# Altium PCB cheriot-test.PcbDoc (part 8 of 12)
Units mil, origin at the board's own origin, x right, y up, seen from the top; angles counter-clockwise.
Board outline 6629.92 x 3149.61 mil, 8 copper layers (Top Layer, Int1 (Sign), Int2 (GND), Int3 (Sign), Int4 (Sign), Int5 (PWR), Int6 (Sign), Bottom Layer), stack 60.424 mil thick; 496 components, 639 nets, 2898 pads, 1737 vias.
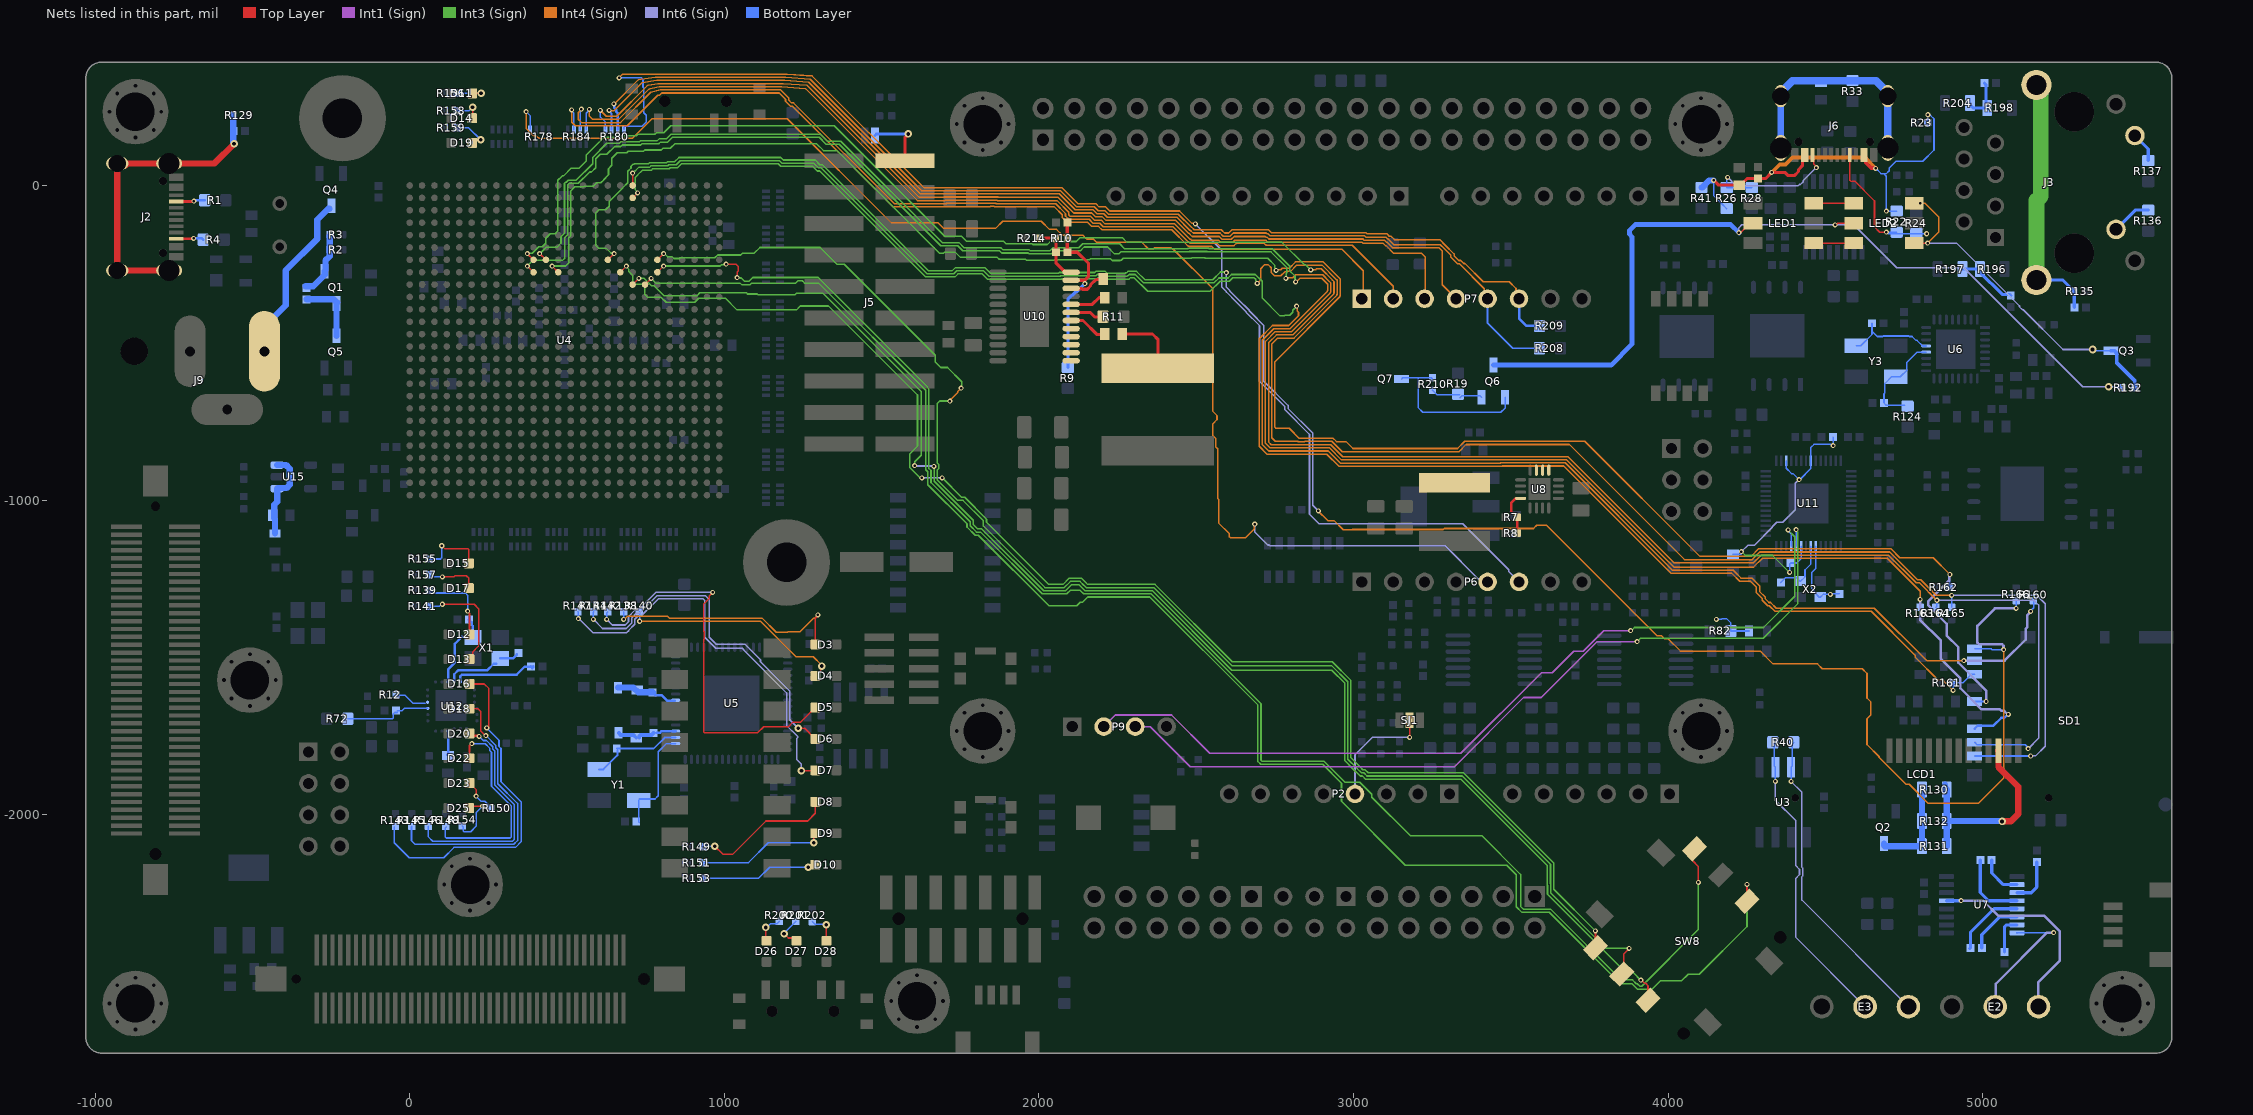
[diagram p14: the nets of this part, all layers, seen from the top]

## Via types
v1: diameter 16, hole 8, Top Layer to Bottom Layer, tented both sides, 1442 vias
v2: diameter 24, hole 12, Top Layer to Bottom Layer, tented both sides, 257 vias
v3: diameter 23.62, hole 11.81, Top Layer to Bottom Layer, tented both sides, 16 vias
v4: diameter 45, hole 20, Top Layer to Bottom Layer, 14 vias
v5: diameter 19.68, hole 8, Top Layer to Bottom Layer, 8 vias

## Nets (pads, with @x,y where several pads share a name; then routed paths per layer and width w, separated by ;. In a path a pad name is that pad's centre, name@x,y a point inside that pad or via, vN(x,y) a via of type N, cw(c..) or ccw(c..) an arc to the next point about the centre after c; other vN are vias at no path point) (continued)
MB3: P6.5 R178.4B | length 4336.9
  Int4 (Sign) w5: v1(370,235) 370,182 394.5,157.5 402.46,157.5 409.96,150 708.15,150 770.15,212 1200.14,212 1531.14,-119 1680,-119 1697.5,-136.5 1861.85,-136.5 1884.68,-113.67 2007.59,-113.67 2033.42,-139.5 2056.08,-139.5 2074.08,-157.5 2138.93,-157.5 2151.43,-170 2172.86,-170 2183.86,-181 2327.76,-181 2347.76,-201 2364.37,-201 2366.87,-198.5 2421.13,-198.5 2423.63,-201 2425.58,-201 2553,-328.42 2553,-718.21 2566,-731.21 2566,-744.05 2553,-757.05 2553,-794.86 2562,-803.86 2562,-830.99 2568,-836.99 2568,-993.85 2571,-996.85 2571,-1072.41 2605,-1106.41 2605,-1116.03 2607.97,-1119 2657.72,-1119 2683.88,-1092.84 2683.88,-1079.12 v1@2685.98,-1077.02
  Int6 (Sign) w5: v1@2685,-1080 2685.98,-1080.98 2685.98,-1101.34 2727.4,-1142.76 2732.24,-1142.76 2734.41,-1144.92 3291.3,-1144.92 3395.96,-1249.58 3415.64,-1249.58 P6.5@3425.98,-1259.92
  Bottom Layer w5: v1(370,235) 382.76,222.24 R178.4B@382.76,178.15
  other v1: 2685.98,-1076.14
MB4: P6.6 R180.1B | length 4165.6
  Int4 (Sign) w5: v1@665,344 667,344 677,354 1199.56,354 1279,348 1633.57,-6.57 1820.66,-6.57 1820.73,-6.5 1883.27,-6.5 1883.34,-6.57 2072.61,-6.57 2123.54,-57.5 2180.35,-57.5 2190.85,-68 2212.14,-68 2214.14,-70 2214.28,-70 2225.28,-81 2447,-81 2486.54,-120.54 2495.46,-120.54 v1(2496.96,-122.04)
  Int6 (Sign) w5: v1(2496.96,-122.04) 2497.04,-122.04 2581,-206 2581,-270.08 2580.5,-270.58 2580.5,-322.07 2595.92,-337.49 2595.92,-338.51 2628.16,-370.74 2658.5,-401.07 2658.5,-402.78 2701,-445.28 2701,-622.16 2782,-703.16 2782,-713.14 2860,-791.14 2860,-1045 2890.5,-1075.5 3346.98,-1075.5 3493.01,-1221.53 3493.01,-1226.95 P6.6@3525.98,-1259.92
  Bottom Layer w5: v1(665.37,342.37) 736.2,342.37 741.5,337.07 741.5,312.06 744,309.56 744,231.5 752,223.5 752,202 738.44,188.44 684.59,188.44 681.18,185.04 R180.1B@681.18,178.15
MB5: P7.6 R180.2B R209.2 | length 3435.6
  Int4 (Sign) w5: v1(649.14,259.36) 650.36,259.36 727.54,336.54 735.56,338 780.71,344 1195.41,344 1273,338 1627.57,-16.57 1824.8,-16.57 1824.87,-16.5 1879.13,-16.5 1879.2,-16.57 2068.47,-16.57 2119.4,-67.5 2176.21,-67.5 2188.71,-80 2210.14,-80 2221.14,-91 2442.86,-91 2483.9,-132.04 2485.04,-132.04 2494,-141 2580.58,-141 2581,-141.42 2581,-141.92 2590.08,-151 2603.42,-151 2613.42,-141 2730,-141 2739,-150 3038.57,-150 3042.58,-154.01 3106.85,-154.01 3113.85,-161.01 3119.01,-161.01 3130,-172 3273.94,-172 3291.48,-189.54 3291.62,-189.54 3319.5,-217.42 3319.5,-223.56 3334.44,-238.5 3340.58,-238.5 3350.08,-248 3354,-248 3412,-306 3495,-306 3516.27,-327.27 3516.27,-337.27 P7.6@3526,-347 ; P7.6@3528.95,-356.95 P7.6@3529,-357
  Bottom Layer w8: v1(649.14,259.36) 650.67,257.83 650.67,246.37 656.9,240.14 656.9,233.72 661.5,229.13 R180.2B@661.5,178.15 ; P7.6@3525.98,-359.92 3525.98,-422.91 3549.61,-446.54 R209.2@3590.94,-446.54
MB6: P7.5 R180.3B R208.2 | length 3481.9
  Int4 (Sign) w5: v1(634,239) 635.91,237.09 648.79,237.09 738.23,326.54 784.85,334 1191.27,334 1268.14,328 1622.71,-26.57 1828.94,-26.57 1829.01,-26.5 1874.99,-26.5 1875.06,-26.57 2064.33,-26.57 2115.26,-77.5 2172.06,-77.5 2184.56,-90 2206,-90 2217,-101 2438.72,-101 2479.76,-142.04 2480.9,-142.04 2489.86,-151 2575.94,-151 2585.94,-161 2607.56,-161 2617.56,-151 2721.86,-151 2724.86,-154 2728.86,-154 2734.86,-160 3034.43,-160 3038.44,-164.01 3102.7,-164.01 3109.7,-171.01 3111.3,-171.01 3128.28,-188 3275.8,-188 3287.34,-199.54 3287.48,-199.54 3309.5,-221.56 3309.5,-227.7 3330.3,-248.5 3336.44,-248.5 3415.74,-327.8 3415.74,-351.74 P7.5@3426,-362
  Bottom Layer w6: v1(634,239) 634,236.29 641.81,228.48 R180.3B@641.81,178.15 ; P7.5@3425.98,-359.92 3425.98,-437.09 3506.3,-517.4 R208.2@3590.94,-517.4
MB7: P7.4 R180.4B | length 3180.6
  Int4 (Sign) w5: v1(606,239) 625,220 658,220 754.54,316.54 757.86,318 788.99,324 1187.13,324 1264,318 1620.01,-38.01 1696.99,-38.01 1698.43,-36.57 1833.08,-36.57 1833.15,-36.5 1870.85,-36.5 1872.36,-38.01 2061.62,-38.01 2111.11,-87.5 2167.92,-87.5 2180.42,-100 2201.85,-100 2212.85,-111 2434.57,-111 2475.61,-152.04 2476.76,-152.04 2486.72,-162 2572.8,-162 2581.8,-171 2611.7,-171 2620.7,-162 2718.72,-162 2720.72,-164 2724.72,-164 2730.72,-170 3030.28,-170 3034.3,-174.01 3098.56,-174.01 3105.56,-181.01 3107.15,-181.01 3124.14,-198 3271.65,-198 3281.75,-208.09 3281.75,-315.68 P7.4@3320.06,-354
  Bottom Layer w5: v1(606,239) 606,218.05 622.13,201.93 R180.4B@622.13,178.15
MB8: P7.3 R184.1B | length 3156.8
  Int4 (Sign) w5: v1(571,242) 571,220.93 581.93,210 664,210 760.54,306.54 763.86,308 793.14,314 1182.99,314 1258,308 1614.01,-48.01 1701.13,-48.01 1702.57,-46.57 1837.22,-46.57 1837.3,-46.5 1866.7,-46.5 1868.21,-48.01 2057.48,-48.01 2094.49,-85.02 2094.49,-93.06 2098.93,-97.5 2163.78,-97.5 2176.28,-110 2197.71,-110 2208.71,-121 2430.43,-121 2480.43,-171 2482.24,-171 2485.24,-174 2570.65,-174 2577.65,-181 2615.85,-181 2622.85,-174 2720.57,-174 2726.57,-180 3026.14,-180 3030.15,-184.01 3094.42,-184.01 3101.42,-191.01 3103.01,-191.01 3127,-215 3216,-215 3228,-227 3228,-353 P7.3@3232,-357
  Bottom Layer w5: R184.1B@561.5,177.87 561.5,229.58 571,239.09 v1(571,242)
MB9: P7.2 R184.2B | length 3048.4
  Int4 (Sign) w5: v1(546,243) 546,242.08 535.5,231.58 535.5,210.93 546.43,200 670,200 766.54,296.54 797.28,304 1178.85,304 1184.86,297.98 1204.5,278.35 1204.5,271.58 1213.58,262.5 1220.35,262.5 1540.85,-58.01 1705.27,-58.01 1706.71,-56.57 1841.37,-56.57 1841.44,-56.5 1862.56,-56.5 1864.07,-58.01 2053.34,-58.01 2084.49,-89.16 2084.49,-97.2 2094.79,-107.5 2159.64,-107.5 2172.14,-120 2193.57,-120 2204.57,-131 2426.29,-131 2476.29,-181 2478.1,-181 2481.1,-184 2566.51,-184 2573.51,-191 2619.99,-191 2626.99,-184 2716.43,-184 2722.43,-190 2996.08,-190 3126,-319.92 P7.2@3126,-355
  Bottom Layer w5: R184.2B@541.81,177.87 541.81,235.83 546,240.02 v1(546,243)
MB10: P7.1 R184.3B | length 2999.7
  Int4 (Sign) w5: v1(515,240) 515,200.93 525.93,190 691.58,190 788.31,286.72 794.14,286.72 801.42,294 1174.7,294 1194.5,274.2 1194.5,267.44 1209.44,252.5 1216.2,252.5 1536.71,-68.01 1709.41,-68.01 1709.92,-67.5 1844.58,-67.5 1845.58,-66.5 1858.42,-66.5 1859.93,-68.01 2049.2,-68.01 2074.49,-93.3 2074.49,-101.34 2090.65,-117.5 2155.49,-117.5 2167.99,-130 2189.43,-130 2200.43,-141 2422.15,-141 2472.15,-191 2473.95,-191 2476.95,-194 2549.06,-194 2558.11,-203.05 2963.1,-203.05 3031,-270.95 P7.1@3031,-359
  Bottom Layer w5: v1(515,240) 515,237.02 522.13,229.9 R184.3B@522.13,177.87
MICROSD_CLK: R162.1 SD1.5 U4.P8 | length 6595.6
  Top Layer w5: v1(452.5,-255.91) 452.63,-255.91 472.31,-275.59 U4.P8@472.44,-275.59
  Int3 (Sign) w5: v1(452.5,-255.91) 496.09,-255.91 506,-246 506,-166.35 512,-160.35 512,-17.26 525.08,-4.19 553.24,-4.19 554.64,-2.79 583.38,-2.79 594.74,8.57 607.58,8.57 616.66,17.65 616.66,18.5 632.08,33.92 632.08,53.58 642.5,64.01 642.5,71.87 642.43,71.94 642.43,84.78 642.5,84.85 642.5,86.5 660,104 689.92,104 694.53,108.61 742.78,108.61 746.9,112.74 799.88,112.74 805.14,118 828.34,118 843.34,133 1293.28,133 1315.32,110.96 1357.47,110.96 1684.43,-216 1696.14,-216 1700.64,-211.5 1733.36,-211.5 1749.36,-227.5 1866.42,-227.5 1873.59,-234.67 1957.47,-234.67 1960.3,-237.5 2047.7,-237.5 2048.7,-236.5 2160.56,-236.5 2164.06,-233 2227.8,-233 2233.3,-238.5 2258.56,-238.5 2259.56,-237.5 2261.7,-237.5 2268.2,-231 2485.31,-231 2486.58,-229.73 2527.42,-229.73 2528.69,-231 2726.92,-231 2750,-254.08 2750,-263.02 2754,-267.02 v1(2754,-270)
  Int4 (Sign) w5: v1(2754,-270) 2756.1,-267.9 2768.48,-267.9 2773.38,-263 2795.53,-263 2815.53,-243 2903.64,-243 2953,-292.36 2958,-297.36 2958,-350.08 2956.5,-351.58 2956.5,-353.46 2953,-356.96 2750,-559.96 2750,-768.8 2752.93,-771.73 2795.42,-771.73 2827.58,-803.89 2840.42,-803.89 2841.31,-803 2935,-803 2945.89,-813.89 2975.89,-813.89 2997.92,-835.92 3330.75,-835.92 3353.44,-813.23 3735.2,-813.23 4100.97,-1179.01 4263,-1179.01 4287.08,-1154.92 4708.41,-1154.92 4736.41,-1182.92 4842.17,-1182.92 v1(4895.67,-1236.42)
  Int6 (Sign) w8: v1(4895.67,-1236.42) 4894.14,-1237.95 4894.14,-1253.82 4825.98,-1321.98 4825.98,-1333.92 4884.98,-1392.92 4884.98,-1429.92 4922.09,-1467.03 4922.09,-1516.55 5010.84,-1605.3 v1(5010.84,-1640.05)
  Bottom Layer w5: R162.1@4895.67,-1277.11 4895.67,-1259.26 v1(4895.67,-1236.42) ; SD1.5@4974.21,-1640.05 5003.87,-1640.05 v1(5010.84,-1640.05)
MICROSD_CMD: R163.1 SD1.3 U4.T8 | length 6773.1
  Top Layer w5: v1(374.02,-255.91) U4.T8@393.7,-275.59
  Int3 (Sign) w5: v1(374.02,-255.91) 392.92,-237 487,-237 493,-231 493,-165.21 502,-156.21 502,1.08 507.77,6.86 536,6.86 572.14,43 577.8,43 591.5,56.7 591.5,84.64 605.86,99 626.72,99 651.72,124 670.72,124 675.33,128.61 734.49,128.61 738.62,132.74 791.6,132.74 796.86,138 820.06,138 835.06,153 1301.56,153 1323.6,130.96 1365.75,130.96 1688.22,-191.5 1741.65,-191.5 1757.65,-207.5 1874.7,-207.5 1881.87,-214.67 1965.75,-214.67 1968.59,-217.5 2039.41,-217.5 2048.91,-208 2131.08,-208 2143.58,-195.5 2218.58,-195.5 2240.58,-217.5 2253.42,-217.5 2259.92,-211 2477.02,-211 2478.3,-209.73 2535.7,-209.73 2536.98,-211 2737.81,-211 2787.4,-260.59 2787.4,-275.54 2788.86,-277 2786.36,-279.5 2786.36,-293.64 v1(2785,-295)
  Int4 (Sign) w5: v1(2785,-295) 2787,-293 2807.08,-293 2816.08,-284 2902.21,-284 2923,-304.79 2928,-309.79 2928,-337.65 2926.5,-339.15 2926.5,-341.03 2923,-344.53 2802.53,-465 2750.72,-465 2720,-495.72 2720,-819.28 2734.6,-833.89 2739.03,-833.89 2923.46,-833.89 2961.81,-872.23 3463.4,-872.23 3464.05,-871.58 3676.64,-871.58 4017.98,-1212.92 4271.51,-1212.92 4299.51,-1184.92 4695.98,-1184.92 4800.98,-1289.92 v1(4800.98,-1315.43)
  Int6 (Sign) w8: v1(4800.98,-1315.43) 4800.98,-1380.38 4865.81,-1445.2 4865.81,-1503.75 4929.1,-1567.04 4929.1,-1598.04 4996.22,-1665.16 5054.22,-1665.16 5058.76,-1669.7 5068.1,-1669.7 5079.32,-1680.92 v1(5081.48,-1680.92)
  Bottom Layer w5: R163.1@4800.98,-1340.24 v1(4800.98,-1315.43)
  Bottom Layer w8: SD1.3@4974.21,-1726.67 4983.99,-1716.89 5034.02,-1716.89 5058.76,-1692.14 5068.1,-1692.14 5079.32,-1680.92 v1(5081.48,-1680.92)
MICROSD_DAT0: R161.1 SD1.7 U4.H1 | length 5637.1
  Top Layer w5: U4.H1@708.66,0 708.76,0.09 708.76,39.06 v1(708.85,39.15)
  Int3 (Sign) w5: v1(708.85,39.15) 709.37,39.15 728.83,58.61 763.49,58.61 767.61,62.74 820.59,62.74 823.85,66 847.05,66 860.05,79 1175.28,79 1183.32,70.96 1284.61,70.96 1299.57,56 1307.72,56 1644.22,-280.5 1729.22,-280.5 1738.72,-271 1823.65,-271 1841.15,-288.5 2067.41,-288.5 2069.41,-286.5 2181.27,-286.5 2184.77,-283 2207.09,-283 2212.59,-288.5 2279.27,-288.5 2280.27,-287.5 2282.41,-287.5 2286.91,-283 2306.22,-283 2332.72,-309.5 2556.67,-309.5 2572.17,-294 2600.92,-294 2611.92,-283 2687.8,-283 2709.5,-304.7 2709.5,-357.42 2766.58,-414.5 2780.08,-414.5 2782.08,-412.5 2797.51,-412.5 2807.01,-403 2807.01,-396.46 2819.11,-384.36 v1(2819.11,-383.11)
  Int4 (Sign) w5: v1(2819.11,-383.11) 2821,-385 2821,-398.61 2825,-402.61 2825,-414.25 2794.25,-445 2742.43,-445 2700,-487.43 2700,-829 2724.89,-853.89 2915.18,-853.89 2953.52,-892.23 3471.68,-892.23 3472.34,-891.58 3668.35,-891.58 4009.69,-1232.92 4202.56,-1232.92 4227.37,-1257.74 4261.56,-1257.74 4280.52,-1276.69 4280.52,-1294.53 4299.05,-1313.06 4299.05,-1318.22 4316.33,-1335.5 4321.49,-1335.5 4339.47,-1353.48 4645.3,-1353.48 4784.78,-1492.96 4784.78,-1498.91 4858.15,-1572.27 4873.21,-1572.27 v1(4905.67,-1604.73)
  Bottom Layer w5: v1(4905.67,-1604.73) 4905.67,-1597.77 R161.1@4905.67,-1579.92 4937.89,-1579.92 4964.37,-1553.44 SD1.7@4974.21,-1553.44
MICROSD_DAT1: R160.1 SD1.8 U4.R7 | length 6598
  Top Layer w5: v1(413.39,-216.54) U4.R7@433.07,-236.22
  Int3 (Sign) w5: v1(413.39,-216.54) 433.92,-196 468,-196 481,-183 481,-163.06 492,-152.06 492,7.57 494.93,10.5 497.27,10.5 503.63,16.86 528.98,16.86 581.5,69.38 581.5,88.78 626.72,134 666.57,134 671.19,138.61 730.35,138.61 734.48,142.74 787.45,142.74 792.72,148 815.92,148 830.92,163 1305.7,163 1327.74,140.96 1369.9,140.96 1692.36,-181.5 1745.79,-181.5 1761.79,-197.5 1878.85,-197.5 1886.01,-204.67 1969.89,-204.67 1972.73,-207.5 2035.27,-207.5 2044.77,-198 2126.94,-198 2139.44,-185.5 2256.56,-185.5 2272.06,-201 2472.88,-201 2474.15,-199.73 2539.85,-199.73 2541.12,-201 2741.95,-201 2797.4,-256.45 2797.4,-271.4 2814,-288 2814,-304 v1(2816,-306)
  Int4 (Sign) w5: v1(2816,-306) 2818.88,-306 2829.88,-295 2899.07,-295 2918,-313.93 2918,-333.51 2916.5,-335.01 2916.5,-336.89 2798.39,-455 2746.57,-455 2710,-491.57 2710,-823.43 2730.46,-843.89 2734.89,-843.89 2919.32,-843.89 2957.66,-882.23 3467.54,-882.23 3468.2,-881.58 3672.49,-881.58 4013.84,-1222.92 4206.7,-1222.92 4231.51,-1247.74 4265.71,-1247.74 4290.52,-1272.55 4290.52,-1290.39 4309.05,-1308.92 4309.05,-1314.08 4320.47,-1325.5 4325.63,-1325.5 4343.61,-1343.48 4654.84,-1343.48 4821.49,-1510.13 v1(4939.71,-1510.13)
  Int6 (Sign) w8: v1(4939.71,-1510.13) 5069.47,-1510.13 5136.56,-1443.03 5136.56,-1409.13 5140.93,-1404.76 5140.93,-1396.72 5141.47,-1396.18 5141.47,-1378.78 5140.93,-1378.24 5140.93,-1367 5151.9,-1356.03 v1(5151.9,-1353.87)
  Bottom Layer w5: v1(4939.71,-1510.13) 4944.55,-1510.13 SD1.8@4974.21,-1510.13 ; v1(5151.9,-1353.87) 5151.9,-1351.92 5161.89,-1341.93 5161.89,-1320.83 R160.1@5160.98,-1319.92
MICROSD_DAT2: R165.1 SD1.1 U4.H2 | length 6710
  Top Layer w5: U4.H2@708.66,-39.37 v1(724.38,-23.62)
  Int3 (Sign) w5: v1(724.38,-23.62) 724.38,-20.65 716.39,-12.66 716.39,24.77 724.35,32.73 724.35,33.08 739.88,48.61 767.63,48.61 771.75,52.74 824.73,52.74 827.99,56 851.19,56 864.19,69 1171.14,69 1179.18,60.96 1280.46,60.96 1295.42,46 1303.57,46 1640.07,-290.5 1733.36,-290.5 1742.86,-281 1819.51,-281 1837.01,-298.5 2071.55,-298.5 2073.55,-296.5 2185.41,-296.5 2188.91,-293 2202.94,-293 2208.44,-298.5 2283.41,-298.5 2284.41,-297.5 2286.56,-297.5 2291.06,-293 2302.08,-293 2345.58,-336.5 2543.81,-336.5 2576.31,-304 2605.06,-304 2615.97,-293.09 2683.75,-293.09 2688.87,-298.21 2688.87,-303.01 2694,-308.15 v1(2694,-311.12)
  Int4 (Sign) w5: v1(2694,-311.12) 2694,-310.83 2704.81,-300.02 2704.81,-264.27 2716.58,-252.5 2729.42,-252.5 2738.5,-261.58 2738.5,-276.42 2749.08,-287 2768.8,-287 2781.8,-274 2786,-274 ; 2787,-273 2799.67,-273 2819.67,-253 2899.5,-253 2943,-296.5 2948,-301.5 2948,-345.94 2946.5,-347.44 2946.5,-349.32 2943,-352.82 2810.82,-485 2759,-485 2740,-504 2740,-802 2751,-813 2822.55,-813 2823.44,-813.89 2844.56,-813.89 2845.45,-813 2930.86,-813 2963.78,-845.92 3334.89,-845.92 3357.58,-823.23 3686.13,-823.23 4051.9,-1189.01 4267.14,-1189.01 4291.23,-1164.92 4704.27,-1164.92 4792.27,-1252.92 4802.62,-1252.92 4852.42,-1302.72 v1(4900.98,-1302.72)
  Int6 (Sign) w5: v1(4900.98,-1302.72) 5171.65,-1302.72 5198.48,-1329.55 5198.48,-1781.91 5167.4,-1812.99 5152.19,-1812.99 v1(5151.9,-1813.28)
  Bottom Layer w5: R165.1@4900.98,-1340.24 v1(4900.98,-1302.72) ; SD1.1@4974.21,-1813.28 v1(5151.9,-1813.28) 5158.06,-1813.28 v1@5158.06,-1816.26
MICROSD_DAT3: R164.1 SD1.2 U4.T7 | length 7085
  Top Layer w5: v1(374.02,-216.54) U4.T7@393.7,-236.22
  Int3 (Sign) w5: v1(374.02,-216.54) 375.41,-215.14 389.52,-215.14 410.26,-194.39 421.39,-194.39 432.19,-183.58 432.19,-167.81 446.7,-153.3 462.48,-153.3 471,-144.78 471,16.86 484.64,30.5 488.99,30.5 513.92,55.43 539.27,55.43 561.5,77.66 561.5,97.07 618.43,154 658.29,154 662.9,158.61 722.07,158.61 726.19,162.74 779.17,162.74 784.43,168 807.63,168 829.59,189.96 1349.18,189.96 1700.64,-161.5 1754.07,-161.5 1770.07,-177.5 1887.13,-177.5 1894.3,-184.67 1978.18,-184.67 1981.01,-187.5 2026.99,-187.5 2036.49,-178 2118.65,-178 2131.15,-165.5 2264.85,-165.5 2280.35,-181 2464.6,-181 2465.87,-179.73 2548.13,-179.73 2549.4,-181 2773,-181 2844.05,-252.05 2847.55,-252.05 v1(2864,-268.5)
  Int4 (Sign) w5: v1(2864,-268.5) 2865,-267.5 2879.5,-267.5 2882,-265 2897.36,-265 2933,-300.64 2938,-305.64 2938,-341.8 2936.5,-343.3 2936.5,-345.17 2933,-348.67 2806.67,-475 2754.86,-475 2730,-499.86 2730,-815.14 2738.74,-823.89 2763.89,-823.89 2927.6,-823.89 2965.95,-862.23 3459.26,-862.23 3459.91,-861.58 3680.78,-861.58 4018.21,-1199.01 4271.28,-1199.01 4295.37,-1174.92 4700.13,-1174.92 4788.13,-1262.92 4798.48,-1262.92 v1(4853.78,-1318.22)
  Int6 (Sign) w5: v1(4853.78,-1318.22) 5162.36,-1318.22 5177.39,-1333.26 5177.39,-1756.66 v1(5144.13,-1789.92)
  Bottom Layer w5: R164.1@4850.98,-1340.24 4853.78,-1337.44 v1(4853.78,-1318.22) ; SD1.2@4974.21,-1769.97 4981.88,-1777.65 5134.83,-1777.65 5144.13,-1786.94 v1(5144.13,-1789.92)
MICROSD_DET: R166.1 SD1.9 U4.K7 | length 6954.1
  Top Layer w5: U4.K7@629.92,-236.22 v1(649.61,-216.54)
  Int3 (Sign) w5: v1(649.61,-216.54) 647.54,-214.47 639.75,-214.47 624.3,-199.01 599.72,-199.01 592,-191.29 592,-87 602,-77 623,-77 634.11,-65.89 634.11,-50.89 677,-8 ; 676.71,-7.71 693.17,8.75 693.17,45.4 703.5,55.72 703.5,61.02 710.08,67.6 712.45,67.6 713.47,68.61 759.35,68.61 763.47,72.74 816.45,72.74 819.71,76 842.91,76 855.91,89 1179.43,89 1187.46,80.96 1288.75,80.96 1303.71,66 1311.86,66 1648.36,-270.5 1725.08,-270.5 1734.58,-261 1827.8,-261 1845.3,-278.5 2063.27,-278.5 2065.27,-276.5 2177.13,-276.5 2180.63,-273 2211.23,-273 2216.73,-278.5 2275.13,-278.5 2276.13,-277.5 2278.27,-277.5 2282.77,-273 2310.36,-273 2336.86,-299.5 2552.52,-299.5 2577.13,-274.9 2593.9,-274.9 v1(2596,-277)
  Int4 (Sign) w5: v1(2888,-1034) 2888,-1035 2918,-1065 2937.92,-1065 2966.92,-1094 2996.16,-1094 2996.7,-1093.46 3284.41,-1093.46 3287.73,-1090.15 3571.98,-1090.15 3582.2,-1079.92 3613.23,-1079.92 3964.4,-1431.09 3978.54,-1431.09 3988.54,-1441.09 4000.42,-1441.09 4039.26,-1479.92 4292.4,-1479.92 4333.24,-1520.76 4474.9,-1520.76 4490.02,-1535.88 4616.88,-1535.88 4632,-1551 4632,-1629 4644.5,-1641.5 4644.5,-1682.5 4632,-1695 4632,-1777 4671,-1816 ; 4670,-1817 4756.05,-1903.04 4766.19,-1903.04 4827.06,-1963.92 4985.98,-1963.92 5065.98,-1883.92 v1(5065.98,-1474.92)
  Int6 (Sign) w5: v1(2596,-277) 2596,-323.43 2605.92,-333.35 2605.92,-334.36 2632.3,-360.74 ; 2632.32,-360.74 2668.5,-396.93 2668.5,-398.5 2672.93,-402.93 2672.93,-403.07 2715,-445.14 2715,-622.02 2792,-699.02 2792,-709 2870,-787 2870,-1016 v1(2888,-1034)
  Int6 (Sign) w8: v1(5065.98,-1474.92) 5065.83,-1474.76 5065.83,-1462.79 5061.14,-1458.11 4988.2,-1458.11 4982.93,-1452.84 4982.93,-1399.96 5038.47,-1344.42 v1(5105.98,-1344.42)
  Bottom Layer w5: SD1.9@4974.21,-1472.73 5027.02,-1472.73 5029.21,-1474.92 v1(5065.98,-1474.92) ; v1(5105.98,-1344.42) R166.1@5105.98,-1319.61
NAVSW_0: SW8.1 U4.J8 | length 4474.6
  Top Layer w5: U4.J8@669.29,-275.59 v1(688.98,-255.91) ; SW8.1@3768.95,-2422.6 3768.95,-2376.19 v1(3768.95,-2369.23)
  Int3 (Sign) w5: v1(688.98,-255.91) 688.98,-258.88 697,-266.91 697,-274 709,-286 709,-307 716,-314 742,-314 747,-319 747,-346 756,-355 799.16,-355 815.16,-371 906.29,-371 918.78,-358.52 1003.65,-358.52 1040.64,-395.5 1229.42,-395.5 1238.5,-386.42 1238.5,-385.93 1241.43,-383 1331,-383 1614,-666 1614,-829.04 1589.5,-853.54 1589.5,-896.42 1622.47,-929.39 1627.61,-929.39 v1(1628,-929) ; v1(1692.5,-929.3) 1754.15,-990.95 1763.87,-990.95 1833.5,-1060.58 1833.5,-1070.3 2031.2,-1268 2076.41,-1268 2095.91,-1248.5 2135.03,-1248.5 2147.05,-1260.52 ; 2147.08,-1260.52 2154.56,-1268 2369,-1268 2614.71,-1513.71 2932.2,-1513.71 2991.75,-1573.26 2991.75,-1819.12 3020.98,-1848.35 3020.98,-1848.54 3029.35,-1856.91 3036.63,-1856.91 3046.63,-1866.91 3349.78,-1866.91 3635.98,-2153.11 3635.98,-2215.03 3636.48,-2215.53 3636.48,-2236.76 v1(3768.95,-2369.23)
  Int6 (Sign) w5: v1@1630,-928 1631.15,-929.15 1692.35,-929.15 v1(1692.5,-929.3)
NAVSW_1: SW8.4 U4.F8 | length 5007.6
  Top Layer w5: U4.F8@787.4,-275.59 v1(807.09,-255.91) ; v1(1005.69,-249.69) 1036.69,-249.69 1043.93,-256.93 1043.93,-271.83 1040.65,-275.12 1040.65,-291.35 v1@1040,-292 ; SW8.4@4083.53,-2108.02 4076.57,-2114.98 4076.57,-2144.85 4095.98,-2164.26 v1(4095.98,-2214.92)
  Int3 (Sign) w5: v1(807.09,-255.91) 987.69,-255.91 991.8,-251.79 1003.58,-251.79 v1(1005.69,-249.69) ; v1(1040.65,-293) 1041,-293 1042,-294 1054.03,-294 1065.03,-305 1078.07,-305 1090.57,-292.5 1298.64,-292.5 1644.5,-638.36 1644.5,-640.65 1650.5,-646.65 1650.5,-899.42 1657,-905.92 1657,-944 1781.5,-1068.5 1781.5,-1081.56 1801.44,-1101.5 1814.5,-1101.5 2011,-1298 2088.83,-1298 2100.83,-1286 2130.11,-1286 2134.62,-1290.52 2142.13,-1298 2356.57,-1298 2705.98,-1647.41 2705.98,-1826.99 2708.91,-1829.92 2905.98,-1829.92 2972.97,-1896.91 3020.06,-1896.91 3058.02,-1934.87 3058.02,-1944.03 3180.97,-2066.98 3408.04,-2066.98 3530.98,-2189.92 3530.98,-2291.53 3539.88,-2300.42 3612.09,-2300.42 3612.59,-2299.92 3625.98,-2299.92 3850.98,-2524.92 3886.99,-2524.92 3898.84,-2536.78 3901.98,-2536.78 3910.13,-2544.92 3915.98,-2544.92 4095.98,-2364.92 v1(4095.98,-2214.92)